# Allegro board 1156197-TDI_VU3P_QSFP28_CXP_V001_1023A-166-20241121_1644_PCB.brd (continued)
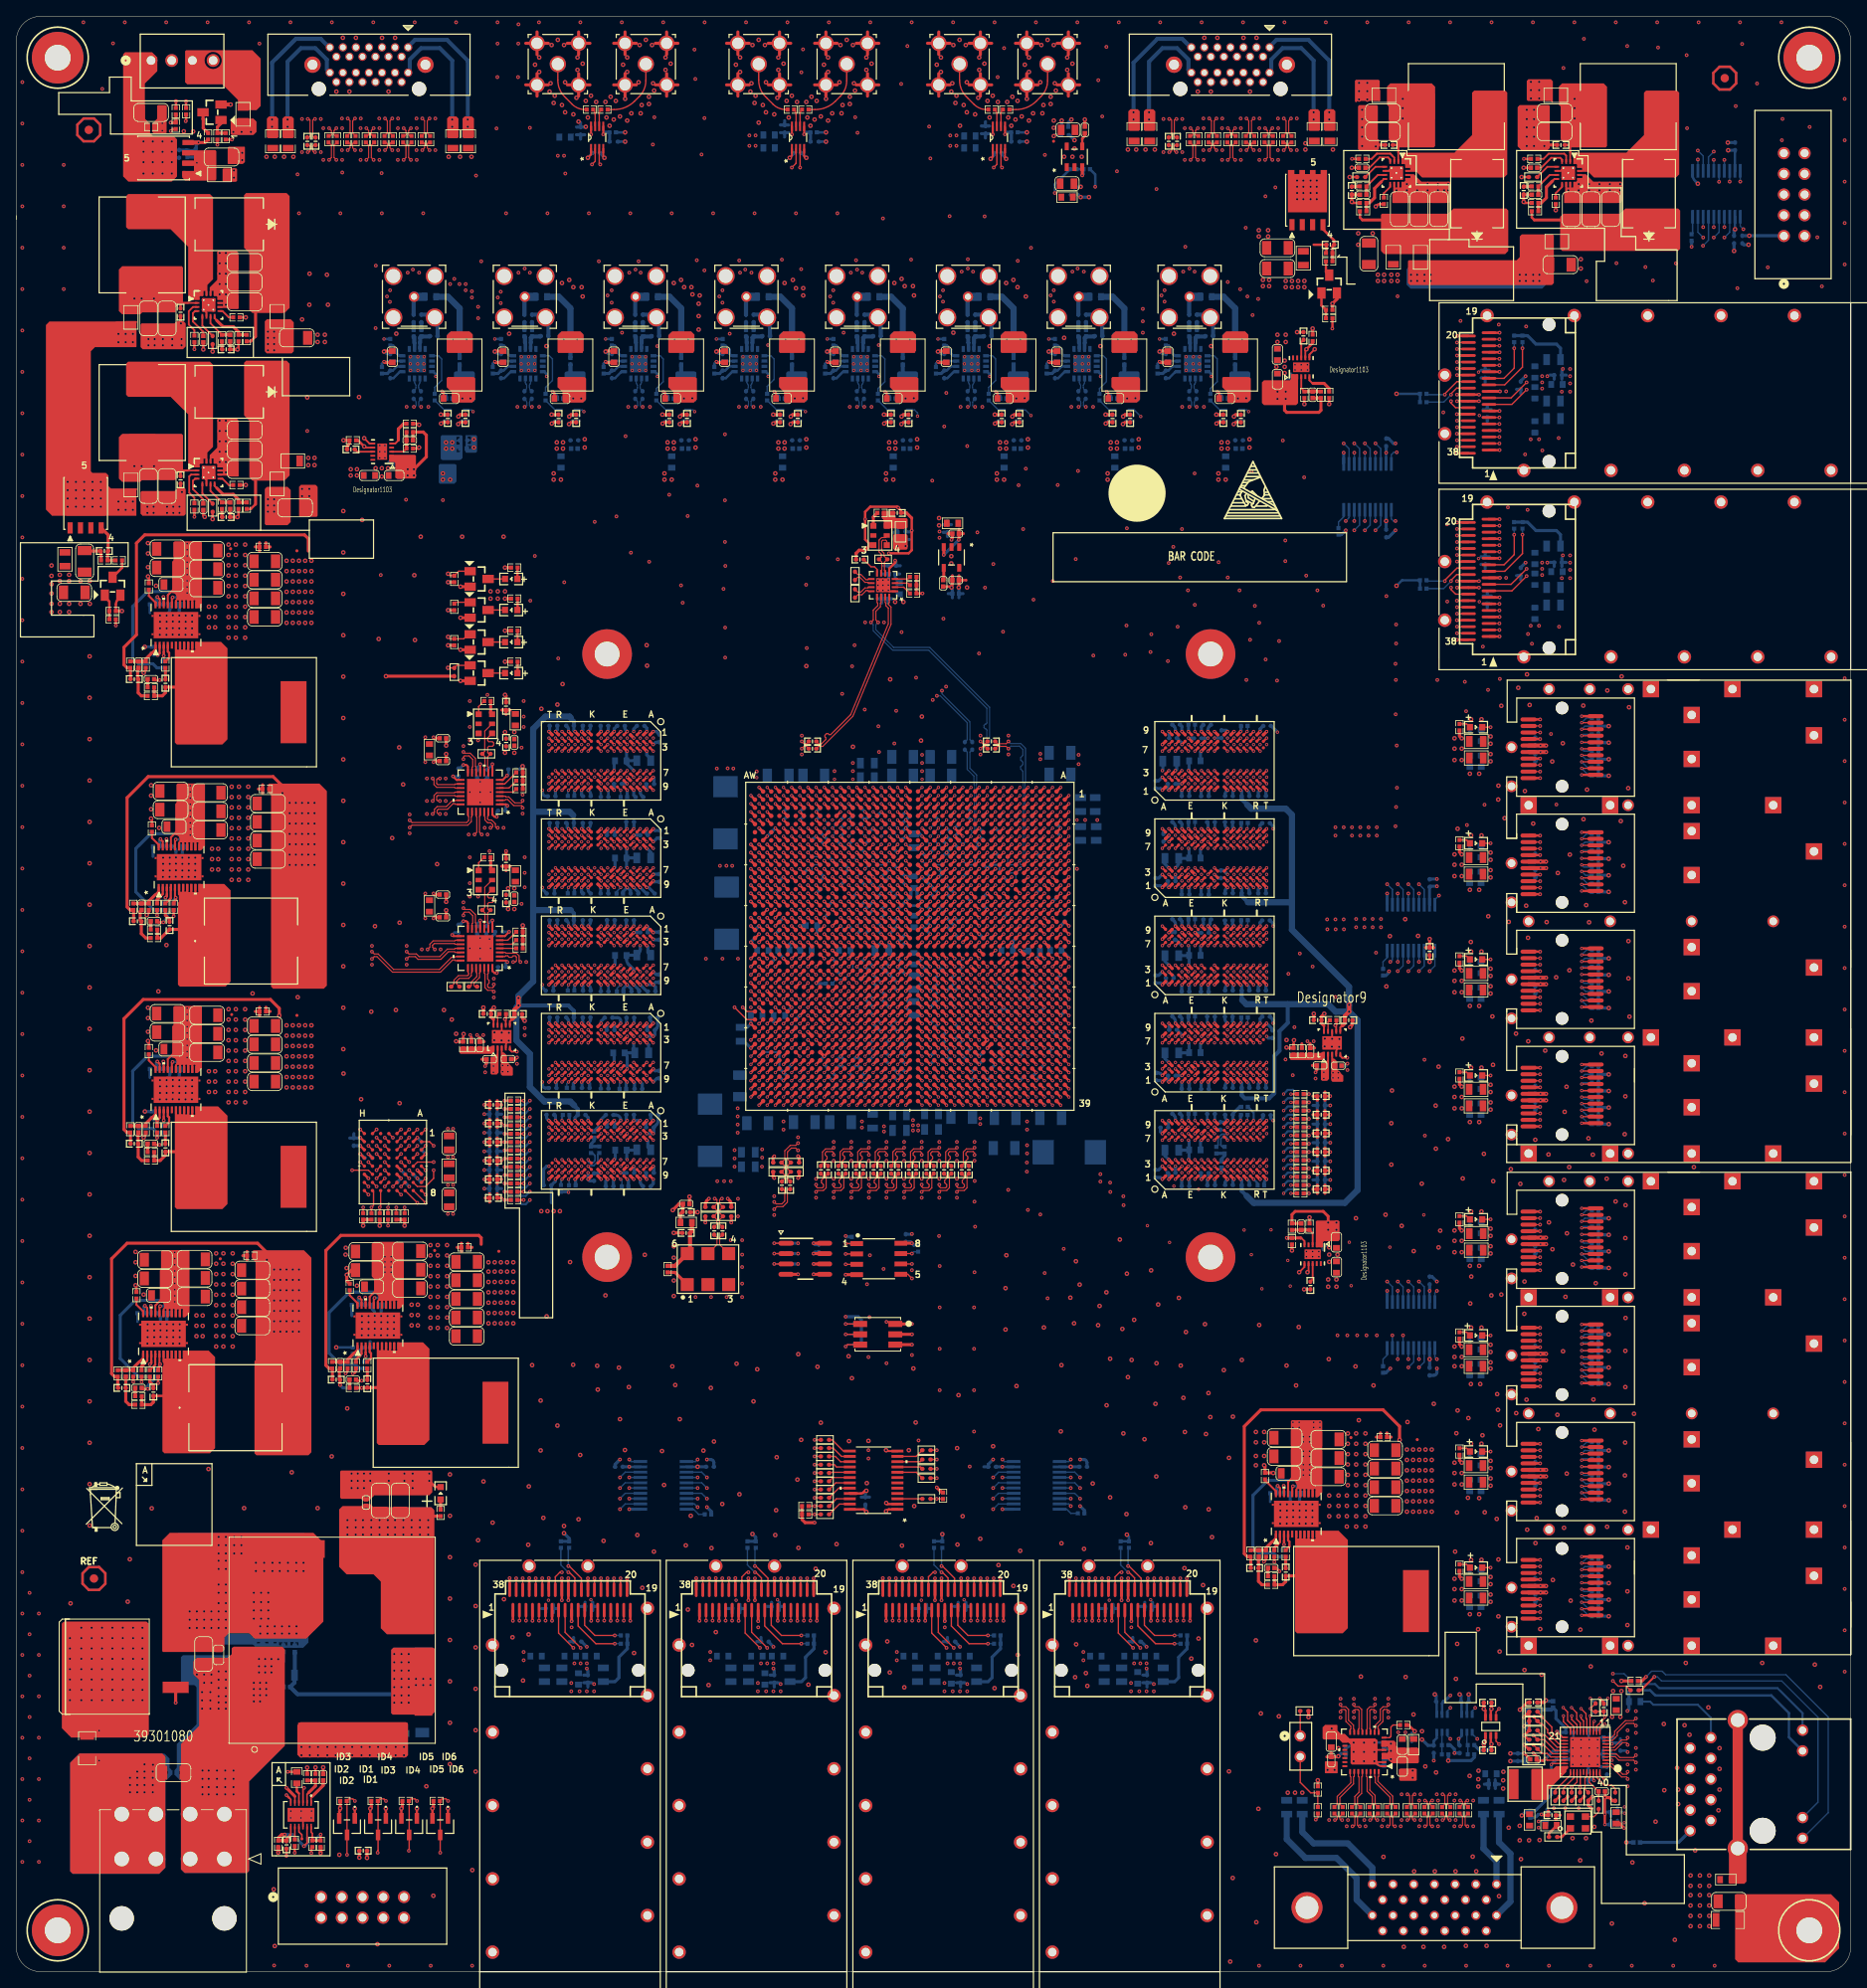
[diagram p0: board, top side]
## Routing (per net, layer and track width the routed paths; a pad name or vN(x,y) marks a point on that pad's centre or on a via; arc(x,y) is an arc through that point) (continued)
  TOP w0.305: R440.2 28.76,179.53 29.34,180.12
  TOP w0.381: 29.34,180.12 C813.1
CHA_24V_2: length 5.6
  TOP w0.305: R446.2 28.76,200.11 29.34,200.69
  TOP w0.381: 29.34,200.69 C823.1
CHA_24V_3: length 5.7
  TOP w0.305: R453.2 164.8,215.31 165.11,215.01
  TOP w0.381: 165.11,215.01 C832.1
CHA_24V_4: length 5.7
  TOP w0.305: 186.19,215.01 185.88,215.31 R461.2
  TOP w0.381: 186.19,215.01 C846.1
CHA_AGND: length 7.8
  TOP w0.305: U1.AA16 v1(108.1,130.36) ; U1.W15 v1(111.1,131.36) ; U1.Y15 v1(109.1,131.36)
  BOTTOM w0.381: v1(108.1,130.36) v1(109.1,131.36) 109.54,131.8 C2.2 109.73,131.92 109.73,132.65 L2.2 110.49,132.65 110.49,131.91 C3.2 110.66,131.8 v1(111.1,131.36)
CHA_BPI_FLASH_A0: length 143
  TOP w0.17: U3.A1 v1(50.19,103.37) ; U1.AK29 v1(99.1,117.36)
  ART07 w0.122: v1(99.1,117.36) 99.1,117.69 98.91,117.88 94.82,117.88 94.46,117.53 89.33,117.53 88.39,116.59 79.9,116.59 79.76,116.44 79.76,116.22 79.88,116.1 81.92,116.1 82.04,115.98 82.04,115.73 81.92,115.61 79.88,115.61 79.76,115.49 79.76,115.25 79.88,115.12 81.92,115.12 82.04,115 82.04,114.76 81.92,114.64 79.88,114.64 79.76,114.51 79.76,114.27 79.88,114.15 81.92,114.15 82.04,114.03 82.04,113.78 81.92,113.66 79.88,113.66 79.76,113.54 79.76,107.82 79.63,107.7 64.64,107.7 62.92,109.42 56.82,109.42 56.52,109.73 56.52,112.01 56.21,112.32 45.97,112.32 45.85,112.2 45.85,111.81 45.97,111.69 49.79,111.69 49.91,111.57 49.91,111.32 49.79,111.2 45.97,111.2 45.85,111.08 45.85,110.83 45.97,110.71 49.79,110.71 49.91,110.59 49.91,110.35 49.79,110.22 45.97,110.22 45.85,110.1 45.85,109.86 45.97,109.74 49.79,109.74 49.91,109.61 49.91,109.37 49.79,109.25 45.97,109.25 45.85,109.13 45.85,108.88 45.97,108.76 49.79,108.76 49.91,108.64 49.91,108.4 49.79,108.27 45.97,108.27 45.85,108.15 45.85,107.91 45.97,107.79 49.79,107.79 49.91,107.66 49.91,107.42 49.79,107.3 45.97,107.3 45.85,107.18 45.85,104.14 46.1,103.89 46.83,103.89 46.95,104.01 46.95,105.67 47.07,105.79 47.32,105.79 47.44,105.67 47.44,104.01 47.56,103.89 47.81,103.89 47.93,104.01 47.93,105.67 48.05,105.79 48.29,105.79 48.42,105.67 48.42,104.01 48.54,103.89 48.78,103.89 48.9,104.01 48.9,105.67 49.02,105.79 49.27,105.79 49.39,105.67 49.39,104.01 49.51,103.89 49.68,103.89 v1(50.19,103.37)
CHA_BPI_FLASH_A1: length 136.7
  TOP w0.152: U1.AK30 v1(100.1,116.36)
  TOP w0.17: U3.B1 v1(49.19,103.37)
  ART12 w0.122: v1(100.1,116.36) 100.39,116.36 100.6,116.57 100.6,117.64 100.39,117.86 93.83,117.86 93.32,117.35 92.46,117.35 91.6,116.49 91.6,116.11 91.35,115.86 89.44,115.86 88.52,114.94 88.52,106.81 89.03,106.3 89.03,96.39 88.65,96.01 84.25,96.01 82.75,94.51 79.17,94.51 78.61,95.07 68.83,95.07 68.25,94.49 64.01,94.49 63.37,93.85 61.72,93.85 61.21,94.36 61.21,109.12 60.53,109.8 57.15,109.8 56.97,109.98 56.97,113.08 56.46,113.59 53.42,113.59 53.21,113.79 53.21,114.81 52.96,115.06 52.66,115.06 52.53,114.94 52.53,113.66 52.41,113.54 52.17,113.54 52.05,113.66 52.05,114.94 51.92,115.06 51.68,115.06 51.56,114.94 51.56,113.66 51.44,113.54 51.19,113.54 51.07,113.66 51.07,114.94 50.95,115.06 50.71,115.06 50.58,114.94 50.58,113.66 50.46,113.54 50.22,113.54 50.1,113.66 50.1,114.94 49.97,115.06 49.73,115.06 49.61,114.94 49.61,113.66 49.49,113.54 49.24,113.54 49.12,113.66 49.12,114.94 49,115.06 48.75,115.06 48.63,114.94 48.63,113.66 48.51,113.54 48.27,113.54 48.14,113.66 48.14,114.94 48.02,115.06 47.78,115.06 47.66,114.94 47.66,113.66 47.54,113.54 47.29,113.54 47.17,113.66 47.17,114.94 47.05,115.06 43.94,115.06 42.88,114 42.88,104.75 43.74,103.89 45.97,103.89 46.99,102.87 49.07,102.87 49.19,102.99 v1(49.19,103.37)
CHA_BPI_FLASH_A2: length 140.6
  TOP w0.152: U1.AK28 99.1,118.36 v1(99.1,118.36)
  TOP w0.17: U3.C1 v1(48.19,103.37)
  ART14 w0.122: v1(99.1,118.36) 98.6,117.86 98.6,117.02 98.44,116.86 94.63,116.86 94.54,116.77 90.86,116.77 90.55,116.46 90.55,116.08 90.37,115.9 84.3,115.9 83.95,115.55 83.95,109.15 83.83,109.03 80,109.03 79.88,108.9 79.88,108.66 80,108.54 83.83,108.54 83.95,108.42 83.95,108.17 83.83,108.05 80,108.05 79.88,107.93 79.88,107.69 80,107.56 83.83,107.56 83.95,107.44 83.95,107.2 83.83,107.08 80,107.08 79.88,106.95 79.88,106.71 80,106.59 83.83,106.59 83.95,106.47 83.95,106.22 83.83,106.1 80,106.1 79.88,105.98 79.88,105.73 80,105.61 83.83,105.61 83.95,105.49 83.95,105.25 83.83,105.12 80,105.12 79.88,105 79.88,104.76 80,104.64 83.83,104.64 83.95,104.52 83.95,104.27 83.83,104.15 80,104.15 79.88,104.03 79.88,103.78 80,103.66 83.83,103.66 83.95,103.54 83.95,103.3 83.83,103.17 80,103.17 79.88,103.05 79.88,97.66 77.52,95.3 71.76,95.3 65.99,89.53 55.32,89.53 51.94,92.91 51.94,99.89 51.59,100.24 50.92,100.24 50.8,100.36 50.8,100.6 50.92,100.73 51.59,100.73 51.71,100.85 51.71,102.12 51.59,102.24 49.91,102.24 49.78,102.36 49.78,102.61 49.91,102.73 51.59,102.73 51.71,102.85 51.71,103.73 51.18,104.27 48.31,104.27 48.19,104.15 v1(48.19,103.37)
CHA_BPI_FLASH_A3: length 141
  TOP w0.152: U1.AL28 98.1,118.36 v1(98.1,118.36)
  TOP w0.17: U3.D1 v1(47.19,103.37)
  ART14 w0.122: v1(98.1,118.36) 97.57,117.83 94.84,117.83 94.11,117.09 90.68,117.09 90.42,116.84 89.79,116.84 89.41,116.46 79.6,116.46 79.48,116.34 79.48,116.03 79.6,115.91 83.19,115.91 83.31,115.79 83.31,115.55 83.19,115.42 79.6,115.42 79.48,115.3 79.48,115.06 79.6,114.94 83.19,114.94 83.31,114.81 83.31,114.57 83.19,114.45 79.6,114.45 79.48,114.33 79.48,114.08 79.6,113.96 83.19,113.96 83.31,113.84 83.31,113.6 83.19,113.47 79.6,113.47 79.48,113.35 79.48,113.11 79.6,112.99 83.19,112.99 83.31,112.86 83.31,112.62 83.19,112.5 79.6,112.5 79.48,112.38 79.48,112.13 79.6,112.01 83.19,112.01 83.31,111.89 83.31,111.64 83.19,111.52 79.6,111.52 79.48,111.4 79.48,111.16 79.6,111.04 83.19,111.04 83.31,110.91 83.31,110.67 83.19,110.55 79.6,110.55 79.48,110.43 79.48,110.18 79.6,110.06 83.19,110.06 83.31,109.94 83.31,109.69 83.19,109.57 79.6,109.57 79.38,109.35 79.38,97.79 77.34,95.75 71.57,95.75 65.86,90.04 55.7,90.04 54.1,91.64 54.1,93.47 52.32,95.25 52.32,104.42 51.59,105.16 47.31,105.16 47.19,105.03 v1(47.19,103.37)
CHA_BPI_FLASH_A4: length 140.4
  TOP w0.152: v1(99.1,115.36) 99.1,115.36 U1.AL30
  TOP w0.17: U3.D2 v1(47.19,102.37)
  ART14 w0.122: v1(99.1,115.36) 98.63,115.82 90.96,115.82 90.5,115.37 87.73,115.37 87.61,115.24 87.61,112.9 87.49,112.78 87.24,112.78 87.12,112.9 87.12,115.24 87,115.37 86.75,115.37 86.63,115.24 86.63,112.9 86.51,112.78 86.27,112.78 86.14,112.9 86.14,115.24 86.02,115.37 85.78,115.37 85.66,115.24 85.66,112.9 85.54,112.78 85.29,112.78 85.17,112.9 85.17,115.24 85.05,115.37 84.7,115.37 84.58,115.24 84.58,102.87 84.33,102.62 80.52,102.62 80.39,102.49 80.39,102.23 80.51,102.1 84.46,102.1 84.58,101.98 84.58,101.74 84.46,101.62 80.51,101.62 80.39,101.5 80.39,101.25 80.51,101.13 84.46,101.13 84.58,101.01 84.58,100.76 84.46,100.64 80.51,100.64 80.39,100.52 80.39,100.28 80.51,100.15 84.46,100.15 84.58,100.03 84.58,99.79 84.46,99.67 80.51,99.67 80.39,99.54 80.39,99.3 80.51,99.18 83.57,99.18 83.69,99.06 83.69,98.81 83.57,98.69 80.51,98.69 80.39,98.57 80.39,97.56 77.62,94.79 71.88,94.79 66.24,89.15 65.68,89.15 65.55,89.03 65.55,88.39 65.43,88.27 65.19,88.27 65.07,88.39 65.07,89.03 64.94,89.15 64.7,89.15 64.58,89.03 64.58,88.39 64.46,88.27 64.21,88.27 64.09,88.39 64.09,89.03 63.97,89.15 63.72,89.15 63.6,89.03 63.6,88.39 63.48,88.27 63.24,88.27 63.12,88.39 63.12,89.03 62.99,89.15 62.75,89.15 62.63,89.03 62.63,88.39 62.51,88.27 62.26,88.27 62.14,88.39 62.14,89.03 62.02,89.15 55.09,89.15 50.69,93.56 50.69,94.13 50.81,94.25 51.31,94.25 51.44,94.37 51.44,94.62 51.31,94.74 50.81,94.74 50.69,94.86 50.69,95.11 50.81,95.23 51.31,95.23 51.44,95.35 51.44,95.59 51.31,95.72 50.81,95.72 50.69,95.84 50.69,96.08 50.81,96.2 51.31,96.2 51.44,96.33 51.44,96.57 51.31,96.69 50.81,96.69 50.69,96.81 50.69,97.06 50.81,97.18 51.31,97.18 51.44,97.3 51.44,97.54 51.31,97.67 50.81,97.67 50.69,97.79 50.69,99.04 49.69,100.04 49.69,101.69 49.52,101.87 47.7,101.87 v1(47.19,102.37)
CHA_BPI_FLASH_A5: length 138
  TOP w0.152: U1.AM30 v1(98.1,116.36)
  TOP w0.17: v1(51.19,101.37) 50.69,101.87 U3.A2
  ART07 w0.122: v1(51.19,101.37) 51.19,102.24 51.82,102.87 52.02,102.87 52.15,102.75 52.15,100.71 52.27,100.58 52.51,100.58 52.63,100.71 52.63,102.75 52.76,102.87 53,102.87 53.12,102.75 53.12,100.71 53.24,100.58 53.49,100.58 53.61,100.71 53.61,102.75 53.73,102.87 53.98,102.87 54.1,102.75 54.1,100.71 54.22,100.58 54.46,100.58 54.59,100.71 54.59,102.75 54.71,102.87 54.95,102.87 55.07,102.75 55.07,100.71 55.19,100.58 55.44,100.58 55.56,100.71 55.56,102.75 55.68,102.87 55.93,102.87 56.05,102.75 56.05,100.71 56.17,100.58 56.41,100.58 56.54,100.71 56.54,103.02 57.02,103.5 59.19,103.5 59.31,103.38 59.31,103.1 59.19,102.98 58.03,102.98 57.91,102.86 57.91,102.62 58.03,102.49 59.19,102.49 59.31,102.37 59.31,102.13 59.19,102.01 58.03,102.01 57.91,101.89 57.91,101.64 58.03,101.52 59.19,101.52 59.31,101.4 59.31,101.15 59.19,101.03 58.03,101.03 57.91,100.91 57.91,100.67 58.03,100.54 59.19,100.54 59.31,100.42 59.31,100.18 59.19,100.06 58.03,100.06 57.91,99.93 57.91,99.69 58.03,99.57 59.19,99.57 59.31,99.45 59.31,99.2 59.19,99.08 58.03,99.08 57.91,98.96 57.91,98.72 58.03,98.59 59.19,98.59 59.31,98.47 59.31,94.49 59.94,93.85 63.37,93.85 64.01,94.49 67.34,94.49 68.99,96.14 78.56,96.14 78.94,96.52 78.94,105.11 79.18,105.35 83.19,105.35 83.44,105.6 83.44,110.26 83.56,110.38 85.86,110.38 85.98,110.5 85.98,110.74 85.86,110.87 83.56,110.87 83.44,110.99 83.44,111.23 83.56,111.35 85.86,111.35 85.98,111.48 85.98,111.72 85.86,111.84 83.56,111.84 83.44,111.96 83.44,112.21 83.56,112.33 85.86,112.33 85.98,112.45 85.98,112.69 85.86,112.82 83.56,112.82 83.44,112.94 83.44,113.18 83.56,113.3 85.86,113.3 85.98,113.43 85.98,113.67 85.86,113.79 83.56,113.79 83.44,113.91 83.44,114.16 83.56,114.28 85.86,114.28 85.98,114.4 85.98,114.65 85.86,114.77 83.56,114.77 83.44,114.89 83.44,115.21 83.59,115.37 89.33,115.37 89.79,115.82 97.16,115.82 97.69,116.36 v1(98.1,116.36)
CHA_BPI_FLASH_A6: length 139.5
  TOP w0.152: U1.AL32 98.1,114.36 v1(98.1,114.36)
  TOP w0.17: U3.C2 v1(48.19,102.37)
  ART07 w0.122: v1(48.19,102.37) 47.89,102.37 47.4,101.88 46.76,101.88 46.49,101.61 46.49,97.37 46.99,96.88 47.37,96.88 47.38,96.87 47.39,96.87 47.68,96.58 47.68,96.56 47.69,96.56 47.69,94.91 47.12,94.34 47.12,92.96 49.35,90.73 68.15,90.73 68.71,90.17 68.71,89.54 68.59,89.42 67.94,89.42 67.82,89.3 67.82,89.05 67.94,88.93 68.59,88.93 68.71,88.81 68.71,88.57 68.59,88.44 67.94,88.44 67.82,88.32 67.82,88.08 67.94,87.96 68.59,87.96 68.71,87.83 68.71,82.29 68.83,82.17 69.07,82.17 69.19,82.29 69.19,84.08 69.32,84.2 69.56,84.2 69.68,84.08 69.68,82.29 69.8,82.17 70.05,82.17 70.17,82.29 70.17,84.08 70.29,84.2 70.54,84.2 70.66,84.08 70.66,82.29 70.78,82.17 71.02,82.17 71.15,82.29 71.15,84.08 71.27,84.2 72.92,84.2 73.04,84.08 73.04,82.42 73.16,82.3 73.41,82.3 73.53,82.42 73.53,84.08 73.65,84.2 73.89,84.2 74.02,84.08 74.02,82.42 74.14,82.3 74.38,82.3 74.5,82.42 74.5,84.08 74.63,84.2 74.87,84.2 74.99,84.08 74.99,82.42 75.11,82.3 75.36,82.3 75.48,82.42 75.48,84.08 75.6,84.2 75.84,84.2 75.97,84.08 75.97,82.42 76.09,82.3 76.33,82.3 76.45,82.42 76.45,90.3 77.69,91.53 77.86,91.53 78.77,90.62 78.94,90.62 79.11,90.79 79.11,90.97 78.2,91.87 78.2,92.05 81.99,95.83 83.13,95.83 83.59,96.29 83.59,100.33 84.48,101.22 86.92,101.22 87.68,101.98 93.4,101.98 93.6,102.18 93.6,102.84 93.48,102.96 91.43,102.96 91.31,103.08 91.31,103.32 91.43,103.45 93.48,103.45 93.6,103.57 93.6,103.81 93.48,103.93 91.43,103.93 91.31,104.06 91.31,104.3 91.43,104.42 93.48,104.42 93.6,104.54 93.6,104.79 93.48,104.91 91.43,104.91 91.31,105.03 91.31,105.27 91.43,105.4 93.48,105.4 93.6,105.52 93.6,111.51 93.98,111.89 94.49,111.89 95.63,113.03 95.63,113.54 96.01,113.92 97.66,113.92 v1(98.1,114.36)
CHA_BPI_FLASH_A7: length 138.9
  TOP w0.152: v1(97.1,114.36) 97.1,114.36 U1.AM32
  TOP w0.17: U3.A3 v1(50.19,101.37)
  ART07 w0.122: v1(97.1,114.36) 95.94,114.36 95.45,113.87 93.98,113.87 93.6,113.49 93.6,113.03 93.47,112.9 91.95,112.9 91.57,112.52 91.57,107.14 91.29,106.86 90.58,106.86 90.37,106.65 90.37,103.63 90.22,103.48 89.93,103.48 89.81,103.6 89.81,105.75 89.69,105.87 89.44,105.87 89.32,105.75 89.32,103.6 89.2,103.48 87.76,103.48 86.64,102.36 80.77,102.36 80.31,101.9 80.31,95.68 79.53,94.89 79.13,94.89 79.01,94.77 79.01,94.18 78.89,94.06 78.65,94.06 78.52,94.18 78.52,94.77 78.4,94.89 78.16,94.89 78.04,94.77 78.04,93.24 77.92,93.12 77.67,93.12 77.55,93.24 77.55,94.77 77.43,94.89 77.15,94.89 77.03,94.77 77.03,92.25 76.9,92.13 76.66,92.13 76.54,92.25 76.54,94.77 76.42,94.89 76.17,94.89 76.05,94.77 76.05,91.94 75.93,91.82 75.69,91.82 75.56,91.94 75.56,94.77 75.44,94.89 75.2,94.89 75.08,94.77 75.08,91.94 74.95,91.82 74.71,91.82 74.59,91.94 74.59,94.77 74.47,94.89 74.22,94.89 74.1,94.77 74.1,91.94 73.98,91.82 73.73,91.82 73.61,91.94 73.61,94.77 73.49,94.89 73.25,94.89 73.13,94.77 73.13,91.94 73,91.82 72.76,91.82 72.64,91.94 72.64,94.77 72.52,94.89 72.27,94.89 72.15,94.77 72.15,91.94 72.03,91.82 71.78,91.82 71.66,91.94 71.66,94.77 71.54,94.89 71.3,94.89 71.17,94.77 71.17,91.94 71.05,91.82 70.81,91.82 70.69,91.94 70.69,94.77 70.57,94.89 69.75,94.89 67.18,92.33 63.55,92.33 63.17,92.71 62.33,92.71 62.21,92.59 62.21,91.69 62.09,91.57 61.84,91.57 61.72,91.69 61.72,92.59 61.6,92.71 61.35,92.71 61.23,92.59 61.23,91.69 61.11,91.57 60.87,91.57 60.74,91.69 60.74,92.59 60.62,92.71 60.38,92.71 60.26,92.59 60.26,91.69 60.13,91.57 59.89,91.57 59.77,91.69 59.77,92.59 59.65,92.71 59.4,92.71 59.28,92.59 59.28,91.69 59.16,91.57 58.92,91.57 58.79,91.69 58.79,92.84 58.41,93.22 54.36,93.22 53.85,93.73 50.33,93.73 50.21,93.6 50.21,91.94 50.08,91.82 49.84,91.82 49.72,91.94 49.72,93.6 49.6,93.73 48.9,93.73 48.64,93.98 48.64,95.05 49.28,95.68 49.28,96.52 48.7,97.1 48.7,100.64 48.92,100.87 49.94,100.87 50.19,101.12 v1(50.19,101.37)
CHA_BPI_FLASH_A8: length 141
  TOP w0.152: U1.AP31 v1(95.1,114.36)
  TOP w0.17: U3.B3 v1(49.19,101.37)
  ART12 w0.122: v1(95.1,114.36) 94.8,114.36 94.3,113.86 93.79,113.86 93.6,113.67 93.6,112.27 93.19,111.86 92.68,111.86 92.6,111.78 92.6,106.03 93.17,105.46 93.17,102.57 93.73,102.01 93.73,101.35 93.47,101.09 92.33,101.09 92.08,100.84 92.08,98.35 91.44,97.71 91.44,93.09 91.06,92.71 89.28,92.71 88.72,92.15 88.29,92.15 87.99,92.46 86.64,92.46 85.24,91.06 83.82,91.06 83.21,91.67 78.64,91.67 77.29,93.01 69.98,93.01 68.55,91.59 60.05,91.59 58.85,92.79 57.12,92.79 55.98,93.93 55.98,105.18 54.74,106.43 54.74,109.45 54.51,109.68 51.96,109.68 51.84,109.8 51.84,111.26 51.72,111.38 51.48,111.38 51.35,111.26 51.35,109.8 51.23,109.68 50.99,109.68 50.87,109.8 50.87,111.26 50.74,111.38 50.5,111.38 50.38,111.26 50.38,109.8 50.26,109.68 50.01,109.68 49.89,109.8 49.89,111.26 49.77,111.38 49.53,111.38 49.4,111.26 49.4,109.8 49.28,109.68 49.04,109.68 48.92,109.8 48.92,111.26 48.79,111.38 48.55,111.38 48.43,111.26 48.43,109.8 48.31,109.68 48.06,109.68 47.94,109.8 47.94,111.26 47.82,111.38 47.57,111.38 47.45,111.26 47.45,109.8 47.33,109.68 47.09,109.68 46.97,109.8 46.97,111.26 46.84,111.38 46.6,111.38 46.48,111.26 46.48,108.08 47.65,106.91 47.65,105.84 47.8,105.69 51.13,105.69 52.32,104.5 52.32,102.74 54.1,100.97 54.1,98.55 53.86,98.31 53.19,98.31 53.07,98.19 53.07,97.94 53.19,97.82 53.5,97.82 53.62,97.7 53.62,97.46 53.5,97.34 53,97.34 51.55,95.89 51.31,95.89 50.93,96.27 49.02,96.27 48.39,96.9 47.88,96.9 47.62,97.16 47.62,101.73 47.75,101.85 49.07,101.85 49.19,101.73 v1(49.19,101.37)
CHA_BPI_FLASH_A9: length 138.5
  TOP w0.152: U1.AP32 v1(95.1,113.36)
  TOP w0.17: U3.C3 v1(48.19,101.37)
  ART07 w0.122: v1(95.1,113.36) 94.52,112.78 93.85,112.78 93.6,112.52 93.6,112.14 93.34,111.89 92.84,111.89 92.58,111.63 92.58,106.07 92.46,105.94 90.98,105.94 90.86,105.82 90.86,102.79 90.53,102.46 87.45,102.46 86.77,101.78 80.92,101.78 80.8,101.66 80.8,101.37 80.92,101.25 82.99,101.25 83.11,101.13 83.11,100.88 82.99,100.76 80.92,100.76 80.8,100.64 80.8,100.4 80.92,100.27 82.99,100.27 83.11,100.15 83.11,99.91 82.99,99.79 80.92,99.79 80.8,99.66 80.8,99.42 80.92,99.3 82.99,99.3 83.11,99.18 83.11,98.93 82.99,98.81 80.92,98.81 80.8,98.69 80.8,98.44 80.92,98.32 82.99,98.32 83.11,98.2 83.11,97.96 82.99,97.84 80.92,97.84 80.8,97.71 80.8,97.47 80.92,97.35 82.99,97.35 83.11,97.23 83.11,96.98 82.99,96.86 80.92,96.86 80.8,96.74 80.8,95.28 76.83,91.31 70.27,91.31 70.15,91.43 70.15,93.99 70.03,94.11 69.78,94.11 69.66,93.99 69.66,91.31 69.54,91.19 69.22,91.19 69.1,91.31 69.1,92.97 68.97,93.09 68.73,93.09 68.61,92.97 68.61,91.31 68.49,91.19 68.22,91.19 68.1,91.31 68.1,92.08 67.98,92.2 67.73,92.2 67.61,92.08 67.61,91.31 67.49,91.19 67.15,91.19 67.03,91.31 67.03,91.83 66.9,91.95 66.66,91.95 66.54,91.83 66.54,91.31 66.42,91.19 66.17,91.19 66.05,91.31 66.05,91.83 65.93,91.95 65.68,91.95 65.56,91.83 65.56,91.31 65.44,91.19 65.2,91.19 65.08,91.31 65.08,91.83 64.95,91.95 64.71,91.95 64.59,91.83 64.59,91.31 64.47,91.19 64.22,91.19 64.1,91.31 64.1,91.83 63.98,91.95 63.73,91.95 63.61,91.83 63.61,91.31 63.49,91.19 63.25,91.19 63.12,91.31 63.12,92.08 63,92.2 62.76,92.2 62.64,92.08 62.64,91.31 62.51,91.19 58.36,91.19 58.24,91.31 58.24,92.64 58.12,92.76 57.87,92.76 57.75,92.64 57.75,91.31 57.63,91.19 57.38,91.19 57.26,91.31 57.26,92.66 57.14,92.79 56.9,92.79 56.77,92.66 56.77,91.31 56.65,91.19 56.41,91.19 56.29,91.31 56.29,92.66 56.17,92.79 55.92,92.79 55.8,92.66 55.8,91.31 55.68,91.19 55.43,91.19 55.31,91.31 55.31,92.66 55.19,92.79 54.95,92.79 54.82,92.66 54.82,91.31 54.7,91.19 54.46,91.19 54.34,91.31 54.34,92.44 54.21,92.56 53.97,92.56 53.85,92.44 53.85,91.31 53.73,91.19 53.48,91.19 53.36,91.31 53.36,92.33 53.24,92.46 53,92.46 52.87,92.33 52.87,91.31 52.75,91.19 52.51,91.19 52.39,91.31 52.39,92.41 52.26,92.53 52.02,92.53 51.9,92.41 51.9,91.31 51.78,91.19 51.53,91.19 51.41,91.31 51.41,93.12 51.29,93.24 51.04,93.24 50.92,93.12 50.92,91.31 50.8,91.19 49.66,91.19 48.23,92.61 48.23,95.43 48.74,95.94 48.74,96.57 48.44,96.88 47.96,96.88 47.68,97.15 47.68,100.87 v1(48.19,101.37)
CHA_BPI_FLASH_A10: length 138.7
  TOP w0.152: U1.AN30 v1(97.1,116.36)
  TOP w0.17: U3.D3 v1(47.19,101.37)
  ART07 w0.122: v1(97.1,116.36) 96.62,116.84 95,116.84 94.69,117.14 89.61,117.14 88.65,116.18 82.91,116.18 82.55,115.82 82.55,113.34 82.43,113.22 80.26,113.22 80.14,113.1 80.14,112.85 80.26,112.73 82.43,112.73 82.55,112.61 82.55,112.36 82.43,112.24 80.26,112.24 80.14,112.12 80.14,111.88 80.26,111.75 82.43,111.75 82.55,111.63 82.55,111.39 82.43,111.27 80.26,111.27 80.14,111.14 80.14,110.9 80.26,110.78 82.43,110.78 82.55,110.66 82.55,110.41 82.43,110.29 80.26,110.29 80.14,110.17 80.14,107.31 80.02,107.19 80.02,106.29 79.89,106.17 79.65,106.17 79.53,106.29 79.53,107.19 79.41,107.31 64.39,107.31 62.74,108.97 61.96,108.97 61.84,108.84 61.84,108.33 61.71,108.2 61.47,108.2 61.35,108.33 61.35,108.84 61.23,108.97 60.98,108.97 60.86,108.84 60.86,108.33 60.74,108.2 60.5,108.2 60.37,108.33 60.37,108.84 60.25,108.97 60.01,108.97 59.89,108.84 59.89,108.33 59.76,108.2 59.52,108.2 59.4,108.33 59.4,108.84 59.28,108.97 58.66,108.97 58.54,108.84 58.54,107.56 58.42,107.44 58.18,107.44 58.06,107.56 58.06,108.84 57.93,108.97 57.69,108.97 57.57,108.84 57.57,107.56 57.45,107.44 57.2,107.44 57.08,107.56 57.08,108.84 56.96,108.97 56.64,108.97 56.52,108.84 56.52,107.97 56.39,107.85 56.13,107.85 56.01,107.97 56.01,111.66 55.89,111.79 55.65,111.79 55.52,111.66 55.52,107.92 55.4,107.8 55.16,107.8 55.04,107.92 55.04,111.66 54.91,111.79 54.67,111.79 54.55,111.66 54.55,107.92 54.43,107.8 54.18,107.8 54.06,107.92 54.06,111.66 53.94,111.79 53.7,111.79 53.57,111.66 53.57,107.92 53.45,107.8 53.21,107.8 53.09,107.92 53.09,111.66 52.96,111.79 52.72,111.79 52.6,111.66 52.6,107.92 52.48,107.8 52.23,107.8 52.11,107.92 52.11,111.66 51.99,111.79 51.74,111.79 51.62,111.66 51.62,107.92 51.5,107.8 51.26,107.8 51.14,107.92 51.14,111.66 51.01,111.79 50.77,111.79 50.65,111.66 50.65,102.97 49.56,101.88 47.9,101.88 47.4,101.37 v1(47.19,101.37)
CHA_BPI_FLASH_A11: length 139.5
  TOP w0.152: v1(96.1,115.36) 96.1,115.36 U1.AN31
  TOP w0.17: U3.C4 v1(48.19,99.37)
  ART12 w0.122: v1(48.19,99.37) 48.77,98.8 48.77,97.16 49.15,96.77 51.82,96.77 52.6,97.56 52.6,99.39 52.06,99.94 52.06,102.07 51.69,102.44 51.69,104.47 50.9,105.26 47.07,105.26 46.43,105.89 46.43,107.24 46.02,107.65 46.02,111.58 46.25,111.81 52.17,111.81 52.29,111.69 52.29,110.33 52.42,110.21 52.66,110.21 52.78,110.33 52.78,111.69 52.9,111.81 53.15,111.81 53.27,111.69 53.27,110.33 53.39,110.21 53.64,110.21 53.76,110.33 53.76,111.69 53.88,111.81 54.12,111.81 54.25,111.69 54.25,110.33 54.37,110.21 54.61,110.21 54.73,110.33 54.73,111.69 54.85,111.81 55.07,111.81 55.3,111.58 55.3,106.5 56.46,105.33 56.46,94.13 57.33,93.27 59,93.27 60.27,92 68.33,92 69.77,93.45 77.47,93.45 78.84,92.08 83.44,92.08 84.07,91.44 85.04,91.44 86.87,93.27 90.65,93.27 90.93,93.55 90.93,101.45 91.05,101.57 92.59,101.57 92.71,101.7 92.71,101.94 92.59,102.06 91.05,102.06 90.93,102.18 90.93,102.43 91.05,102.55 92.56,102.55 92.68,102.67 92.68,102.91 92.56,103.04 91.05,103.04 90.93,103.16 90.93,103.4 91.05,103.52 92.59,103.52 92.71,103.65 92.71,103.89 92.59,104.01 91.05,104.01 90.93,104.13 90.93,104.38 91.05,104.5 92.59,104.5 92.71,104.62 92.71,104.87 92.59,104.99 91.05,104.99 90.93,105.11 90.93,105.54 91.6,106.21 91.6,112.68 91.76,112.84 92.27,112.84 92.6,113.18 92.6,113.56 92.9,113.86 93.28,113.86 93.6,114.17 93.6,114.55 93.91,114.86 95.71,114.86 96.1,115.25 v1(96.1,115.36)
CHA_BPI_FLASH_A12: length 141
  TOP w0.152: U1.AN29 v1(96.1,116.36)
  TOP w0.17: U3.A5 v1(50.19,98.37)
  ART12 w0.122: v1(96.1,116.36) 95.62,116.84 93.89,116.84 93.6,116.55 93.6,116.08 93.38,115.86 92.87,115.86 92.62,115.61 92.62,115.1 92.38,114.86 91.87,114.86 91.6,114.59 91.6,114.16 91.3,113.86 89.73,113.86 89.53,113.67 89.53,107.19 89.99,106.73 89.99,95.63 88.6,94.23 83.69,94.23 83.06,93.6 81.46,93.6 80.75,92.89 79.38,92.89 78,94.26 69.32,94.26 67.84,92.79 60.78,92.79 59.33,94.23 58.17,94.23 57.91,94.49 57.91,95.99 58.03,96.11 59.11,96.11 59.23,96.23 59.23,96.48 59.11,96.6 58.03,96.6 57.91,96.72 57.91,96.97 58.03,97.09 59.11,97.09 59.23,97.21 59.23,97.45 59.11,97.58 58.03,97.58 57.91,97.7 57.91,97.94 58.03,98.06 59.11,98.06 59.23,98.19 59.23,98.43 59.11,98.55 58.03,98.55 57.91,98.67 57.91,98.92 58.03,99.04 59.11,99.04 59.23,99.16 59.23,99.4 59.11,99.53 58.03,99.53 57.91,99.65 57.91,99.89 58.03,100.01 59.11,100.01 59.23,100.14 59.23,100.38 59.11,100.5 58.03,100.5 57.91,100.62 57.91,100.87 58.03,100.99 59.11,100.99 59.23,101.11 59.23,101.36 59.11,101.48 58.03,101.48 57.91,101.6 57.91,101.84 58.03,101.96 59.11,101.96 59.23,102.09 59.23,102.33 59.11,102.45 58.03,102.45 57.91,102.57 57.91,102.82 58.03,102.94 59.11,102.94 59.23,103.06 59.23,103.31 59.11,103.43 58.03,103.43 57.91,103.55 57.91,103.79 58.03,103.92 59.11,103.92 59.23,104.04 59.23,104.28 59.11,104.4 58.03,104.4 57.91,104.53 57.91,104.77 58.03,104.89 59.11,104.89 59.23,105.01 59.23,105.66 59.11,105.79 57.28,105.79 56.13,106.93 56.13,112.01 55.45,112.7 43.99,112.7 43.69,112.39 43.69,105.28 44.2,104.78 46.28,104.78 46.74,104.32 50.04,104.32 50.69,103.67 50.69,100.81 50.81,100.69 51.14,100.69 51.26,100.57 51.26,100.32 51.14,100.2 50.81,100.2 50.69,100.08 50.69,99.76 50.57,99.64 50.24,99.64 50.11,99.52 50.11,99.27 50.24,99.15 50.57,99.15 50.69,99.03 50.69,98.49 50.57,98.37 v1(50.19,98.37)
CHA_BPI_FLASH_A13: length 139.7
  TOP w0.152: U1.AP29 v1(95.1,116.36)
  TOP w0.17: U3.B5 49.19,99.37 v1(51.19,99.37)
  ART07 w0.122: v1(51.19,99.37) 51.19,100.07 50.72,100.53 50.72,102.41 51.18,102.87 51.18,106.68 51.44,106.93 52.22,106.93 52.34,106.81 52.34,104.26 52.46,104.14 52.71,104.14 52.83,104.26 52.83,106.81 52.95,106.93 53.2,106.93 53.32,106.81 53.32,104.26 53.44,104.14 53.68,104.14 53.81,104.26 53.81,106.81 53.93,106.93 54.17,106.93 54.29,106.81 54.29,104.26 54.42,104.14 54.66,104.14 54.78,104.26 54.78,106.81 54.9,106.93 55.15,106.93 55.27,106.81 55.27,104.26 55.39,104.14 55.63,104.14 55.76,104.26 55.76,106.81 55.88,106.93 56.12,106.93 56.24,106.81 56.24,104.26 56.37,104.14 56.61,104.14 56.73,104.26 56.73,106.64 57.02,106.93 58.8,106.93 59.56,107.7 63.37,107.7 64.01,107.06 64.01,105.91 64.13,105.79 64.65,105.79 64.77,105.91 64.77,106.81 64.89,106.93 65.14,106.93 65.26,106.81 65.26,105.91 65.38,105.79 65.63,105.79 65.75,105.91 65.75,106.81 65.87,106.93 66.11,106.93 66.24,106.81 66.24,105.91 66.36,105.79 66.6,105.79 66.72,105.91 66.72,106.81 66.85,106.93 67.09,106.93 67.21,106.81 67.21,105.91 67.33,105.79 67.58,105.79 67.7,105.91 67.7,106.81 67.82,106.93 68.06,106.93 68.19,106.81 68.19,105.91 68.31,105.79 68.55,105.79 68.67,105.91 68.67,106.81 68.8,106.93 69.04,106.93 69.16,106.81 69.16,105.91 69.28,105.79 69.53,105.79 69.65,105.91 69.65,106.81 69.77,106.93 70.02,106.93 70.14,106.81 70.14,105.91 70.26,105.79 70.5,105.79 70.62,105.91 70.62,106.81 70.75,106.93 70.99,106.93 71.11,106.81 71.11,105.91 71.23,105.79 71.48,105.79 71.6,105.91 71.6,106.81 71.72,106.93 71.97,106.93 72.09,106.81 72.09,105.91 72.21,105.79 72.45,105.79 72.58,105.91 72.58,106.81 72.7,106.93 72.94,106.93 73.06,106.81 73.06,105.91 73.19,105.79 73.43,105.79 73.55,105.91 73.55,106.81 73.67,106.93 73.92,106.93 74.04,106.81 74.04,105.91 74.16,105.79 74.4,105.79 74.53,105.91 74.53,106.81 74.65,106.93 74.89,106.93 75.01,106.81 75.01,105.91 75.14,105.79 75.38,105.79 75.5,105.91 75.5,106.81 75.62,106.93 75.87,106.93 75.99,106.81 75.99,105.91 76.11,105.79 76.35,105.79 76.48,105.91 76.48,106.81 76.6,106.93 76.84,106.93 76.96,106.81 76.96,105.91 77.09,105.79 77.33,105.79 77.45,105.91 77.45,106.81 77.57,106.93 77.82,106.93 77.94,106.81 77.94,105.91 78.06,105.79 78.31,105.79 78.43,105.91 78.43,106.81 78.55,106.93 78.79,106.93 78.92,106.81 78.92,105.91 79.04,105.79 82.8,105.79 82.93,105.92 82.93,106.24 82.81,106.36 80.89,106.36 80.77,106.48 80.77,106.72 80.89,106.85 82.81,106.85 82.93,106.97 82.93,107.21 82.81,107.33 80.89,107.33 80.77,107.46 80.77,107.7 80.89,107.82 82.81,107.82 82.93,107.94 82.93,108.19 82.81,108.31 80.89,108.31 80.77,108.43 80.77,108.67 80.89,108.8 82.81,108.8 82.93,108.92 82.93,109.16 82.81,109.28 80.89,109.28 80.77,109.41 80.77,109.65 80.89,109.77 82.81,109.77 82.93,109.89 82.93,115.37 83.36,115.8 88.93,115.8 89.89,116.77 94.44,116.77 94.84,116.36 v1(95.1,116.36)
